# Altium PCB Mother_board01.PcbDoc
Units mm, origin at the board's own origin, x right, y up, seen from the top; angles counter-clockwise.
Board outline 169 x 150.57 mm, 2 copper layers (Top Layer, Bottom Layer), stack 1.57 mm thick; 63 components, 64 nets, 302 pads, 19 vias.
Unrouted connection lines stored in the file: 70.
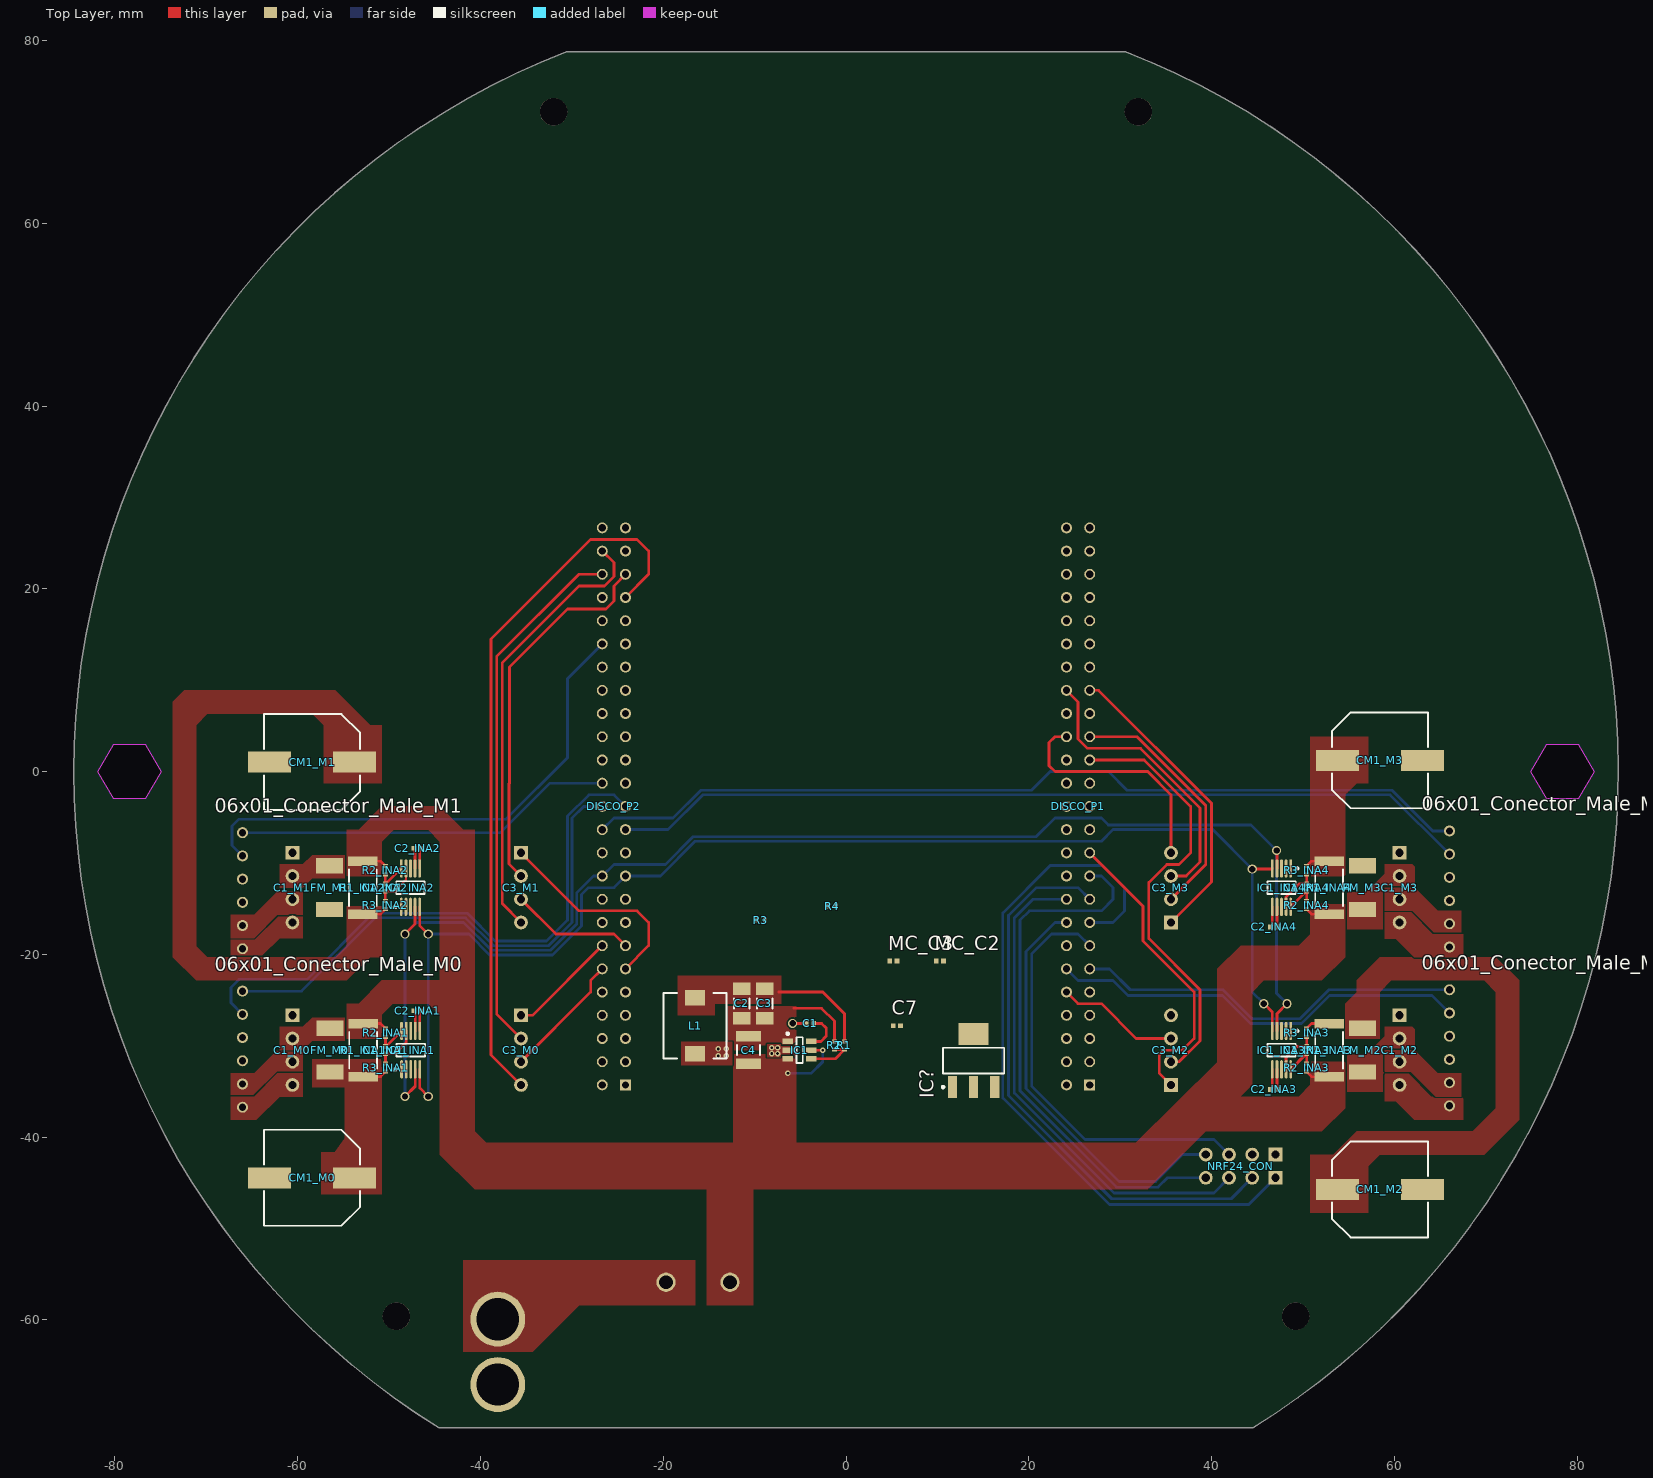
[diagram p0: Top Layer view]
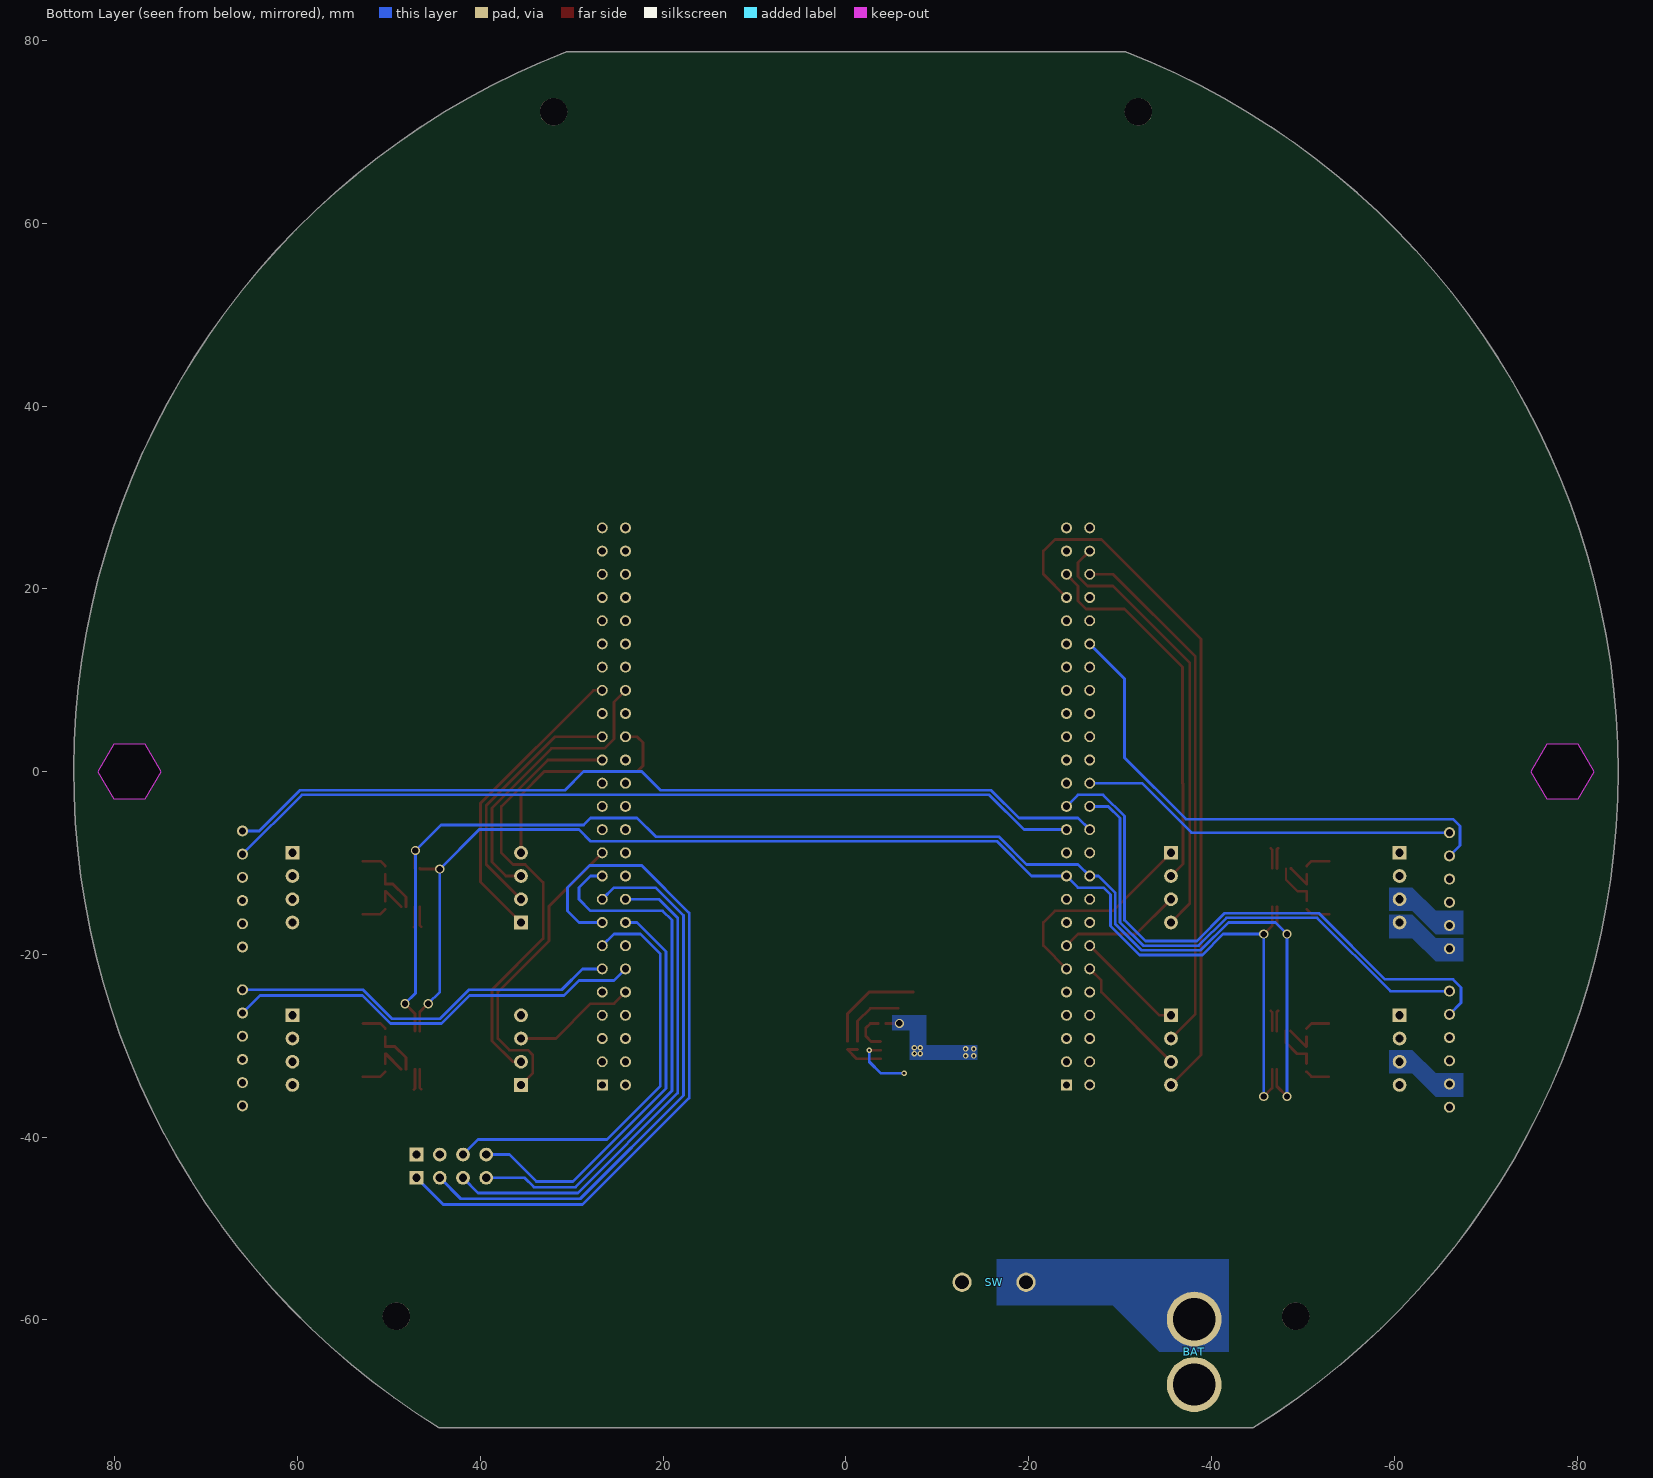
[diagram p1: Bottom Layer view, seen from below]

## Layer stack, top to bottom
Top Solder: solder mask 0.01, Solder Resist, Dk 3.5
Top Layer: signal copper 0.035
Dielectric 1: dielectric 1.5, FR-4, Dk 4.8
Bottom Layer: signal copper 0.035
Bottom Solder: solder mask 0.01, Solder Resist, Dk 3.5

## Board outline
-30.603,78.764 -33.364,77.635 -36.083,76.409 -38.757,75.088 -41.383,73.673 -43.957,72.167 -46.477,70.57 -48.938,68.886 -51.339,67.116 -53.676,65.262 -55.946,63.327 -58.146,61.313 -60.274,59.223 -62.326,57.059 -64.301,54.823 -66.196,52.52 -68.008,50.151 -69.736,47.72 -71.377,45.229 -72.928,42.681 -74.389,40.081 -75.758,37.431 -77.031,34.734 -78.209,31.993 -79.29,29.213 -80.271,26.396 -81.153,23.547 -81.933,20.668 -82.612,17.764 -83.187,14.837 -83.659,11.892 -84.027,8.932 -84.289,5.961 -84.447,2.982 -84.5,0 -84.448,-2.959 -84.293,-5.914 -84.034,-8.861 -83.672,-11.798 -83.208,-14.72 -82.641,-17.625 -81.974,-20.508 -81.205,-23.365 -80.338,-26.194 -79.371,-28.991 -78.307,-31.752 -77.148,-34.474 -75.893,-37.154 -74.546,-39.789 -73.107,-42.375 -71.579,-44.908 -69.962,-47.387 -68.26,-49.807 -66.475,-52.167 -64.607,-54.462 -62.661,-56.691 -60.637,-58.85 -58.54,-60.937 -56.37,-62.949 -54.132,-64.885 -51.827,-66.74 -49.458,-68.514 -47.029,-70.203 -44.542,-71.807 44.542,-71.807 47.04,-70.196 49.479,-68.499 51.857,-66.717 54.171,-64.852 56.418,-62.907 58.595,-60.884 60.7,-58.786 62.729,-56.615 64.681,-54.374 66.553,-52.066 68.343,-49.694 70.048,-47.26 71.667,-44.767 73.197,-42.22 74.636,-39.62 75.983,-36.971 77.236,-34.276 78.394,-31.539 79.454,-28.763 80.416,-25.951 81.279,-23.107 82.041,-20.235 82.702,-17.337 83.261,-14.418 83.716,-11.482 84.068,-8.531 84.316,-5.569 84.46,-2.601 84.499,0.371 84.434,3.342 84.264,6.309 83.99,9.268 83.612,12.215 83.131,15.148 82.547,18.062 81.861,20.953 81.073,23.819 80.186,26.655 79.199,29.458 78.114,32.225 76.933,34.952 75.656,37.636 74.286,40.273 72.824,42.86 71.271,45.394 69.631,47.872 67.905,50.291 66.094,52.648 64.202,54.94 62.23,57.163 60.182,59.316 58.059,61.396 55.864,63.399 53.6,65.324 51.27,67.169 48.876,68.93 46.422,70.606 43.911,72.195 41.345,73.694 38.728,75.103 36.063,76.418 33.354,77.639 30.603,78.764
cut-out: -80.14,3 -76.676,3 -74.944,0 -76.676,-3 -80.14,-3 -81.872,0
cut-out: 76.676,3 80.14,3 81.872,0 80.14,-3 76.676,-3 74.944,0

## Design rules (kind name [scope] priority, off if disabled: settings)
Clearance Clearance_1 [All] p1: gap=0.2
PlaneConnect [All] p1: planeconnectstyle=Direct reliefexpansion=0.508 reliefentries=4 reliefconductorwidth=0.254 reliefairgap=0.254
PolygonConnect "Schematic Polygon Connect Style_2" [InComponent('L1')] p1: connectstyle=Direct reliefconductorwidth=0.254 reliefentries=4 polygonreliefangle="45 Angle" airgapwidth=0.254
PolygonConnect "Schematic Polygon Connect Style_1" [InComponent('C2')] p2: connectstyle=Direct reliefconductorwidth=0.254 reliefentries=4 polygonreliefangle="45 Angle" airgapwidth=0.254
PolygonConnect "Schematic Polygon Connect Style" [InComponent('C3')] p3: connectstyle=Direct reliefconductorwidth=0.254 reliefentries=4 polygonreliefangle="45 Angle" airgapwidth=0.254
PolygonConnect [All] p4: connectstyle=Direct reliefconductorwidth=0.508 reliefentries=4 polygonreliefangle="90 Angle" airgapwidth=0.254
RoutingVias [All] p1: holewidth=0.7 width=1 viastyle="Through Hole" minholewidth=0.5 minwidth=0.7 maxholewidth=1.422 maxwidth=2.54
SolderMaskExpansion [All] p1: expansion=0.102
Width [All] p1: maxlimit=1.016 minlimit=0.254 preferedwidth=0.3
29 further rules are at their usual default settings.

## Classes and differential pairs
channel class MOTORES: M0 M1 M2 M3
component class Mother_board1: C7 DISCO_P1 DISCO_P2 MC_C2 MC_C3 NRF24_CON
component class M3: 06x01_Conector_Male_M3 C1_M3 C3_M3 CM1_M3 FM_M3
component class M2: 06x01_Conector_Male_M2 C1_M2 C3_M2 CM1_M2 FM_M2
component class M1: 06x01_Conector_Male_M1 C1_M1 C3_M1 CM1_M1 FM_M1
component class M0: 06x01_Conector_Male_M0 C1_M0 C3_M0 CM1_M0 FM_M0
net class DIRECT: MA_M0 MA_M1 MA_M2 MA_M3 MB_M0 MB_M1 MB_M2 MB_M3 NetBAT_0 NetC1_2 "V+ BAT_INA1"
component class POWER: BAT C1 C2 C3 C4 IC1 IC? L1 R1 R2 R3 R4 SW
component class INA1: C1_INA1 C2_INA1 IC1_INA1 R1_INA1 R2_INA1 R3_INA1
component class INA4: C1_INA4 C2_INA4 IC1_INA4 R1_INA4 R2_INA4 R3_INA4
component class INA3: C1_INA3 C2_INA3 IC1_INA3 R1_INA3 R2_INA3 R3_INA3
component class INA2: C1_INA2 C2_INA2 IC1_INA2 R1_INA2 R2_INA2 R3_INA2
channel class INA220: INA1 INA2 INA3 INA4

## Components (designator, comment, footprint, x,y, rotation, side; value= is the part's Value field where it differs from the comment)
06x01_Conector_Male_M0 "0022112062" 06x01_Conector_Male -65.913,-30.377 r90 top (schematic designator 06x01_Conector_Male)
06x01_Conector_Male_M1 "0022112062" 06x01_Conector_Male -65.913,-13.037 r90 top (schematic designator 06x01_Conector_Male)
06x01_Conector_Male_M2 "0022112062" 06x01_Conector_Male 66.167,-30.226 r90 top (schematic designator 06x01_Conector_Male)
06x01_Conector_Male_M3 "0022112062" 06x01_Conector_Male 66.167,-12.843 r90 top (schematic designator 06x01_Conector_Male)
BAT "XT60" BATTERY_CONECTO-PCB -38.1,-63.5 r270 bottom
C1 "100nF" 0402-CAP -3.937,-27.559 r180 top
C1_INA1 "100nF" 0402-CAP -50.387,-30.48 r270 top (schematic designator C1)
C1_INA2 "100nF" 0402-CAP -50.412,-12.7 r270 top (schematic designator C1)
C1_INA3 "100nF" 0402-CAP 50.412,-30.48 r90 top (schematic designator C1)
C1_INA4 "100nF" 0402-CAP 50.412,-12.7 r90 top (schematic designator C1)
C1_M0 "PPPC041LFBN-RC" 04x01_Conector_Female -60.579,-30.48 r90 top (schematic designator C1)
C1_M1 "PPPC041LFBN-RC" 04x01_Conector_Female -60.579,-12.7 r90 top (schematic designator C1)
C1_M2 "PPPC041LFBN-RC" 04x01_Conector_Female 60.579,-30.48 r90 top (schematic designator C1)
C1_M3 "PPPC041LFBN-RC" 04x01_Conector_Female 60.579,-12.7 r90 top (schematic designator C1)
C2 "22uF" 1206-CAP -11.394,-25.376 r90 top
C2_INA1 "100nF" 0402-CAP -46.863,-26.176 r180 top (schematic designator C2)
C2_INA2 "100nF" 0402-CAP -46.863,-8.396 r180 top (schematic designator C2)
C2_INA3 "100nF" 0402-CAP 46.863,-34.784 r0 top (schematic designator C2)
C2_INA4 "100nF" 0402-CAP 46.863,-17.004 r0 top (schematic designator C2)
C3 "22uF" 1206-CAP -8.89,-25.376 r90 top
C3_M0 "PPPC041LFBN-RC" 04x01_Conector_Female -35.56,-30.48 r90 top (schematic designator C3)
C3_M1 "PPPC041LFBN-RC" 04x01_Conector_Female -35.56,-12.7 r90 top (schematic designator C3)
C3_M2 "PPPC041LFBN-RC" 04x01_Conector_Female 35.56,-30.48 r270 top (schematic designator C3)
C3_M3 "PPPC041LFBN-RC" 04x01_Conector_Female 35.56,-12.7 r270 top (schematic designator C3)
C4 "10uF" PCBComponent -10.668,-30.48 r270 top
C7 "100nF" 0402-CAP 5.569,-27.813 r0 top
CM1_M0 "EEE-FK1C681GP" EEE-FK1C681GP -58.42,-44.45 r180 top (schematic designator CM1)
CM1_M1 "EEE-FK1C681GP" EEE-FK1C681GP -58.42,1.037 r180 top (schematic designator CM1)
CM1_M2 "EEE-FK1C681GP" EEE-FK1C681GP 58.42,-45.72 r0 top (schematic designator CM1)
CM1_M3 "EEE-FK1C681GP" EEE-FK1C681GP 58.42,1.23 r0 top (schematic designator CM1)
DISCO_P1 "SFH11-PBPC-D25-ST-BK" 25x02_Conector_Female 25.4,-3.81 r90 top
DISCO_P2 "SFH11-PBPC-D25-ST-BK" 25x02_Conector_Female -25.4,-3.81 r90 top
FM_M0 "MF-MSMF250/16X" RESC4632X16N -56.49,-30.48 r270 top (schematic designator FM)
FM_M1 "MF-MSMF250/16X" RESC4632X16N -56.515,-12.7 r270 top (schematic designator FM)
FM_M2 "MF-MSMF250/16X" RESC4632X16N 56.515,-30.48 r90 top (schematic designator FM)
FM_M3 "MF-MSMF250/16X" RESC4632X16N 56.515,-12.7 r90 top (schematic designator FM)
IC1 "TPS563200DDCT" SOT95P280X110-6N -5.08,-30.48 r0 top
IC1_INA1 "INA220BIDGST" TSSOP10 -47.633,-30.48 r90 top (schematic designator IC1)
IC1_INA2 "INA220BIDGST" TSSOP10 -47.657,-12.7 r90 top (schematic designator IC1)
IC1_INA3 "INA220BIDGST" TSSOP10 47.657,-30.48 r270 top (schematic designator IC1)
IC1_INA4 "INA220BIDGST" TSSOP10 47.657,-12.7 r270 top (schematic designator IC1)
IC? "LD1117S33CTR" SOT-223_N 13.97,-31.623 r90 top
L1 "CLF7045T-4R7N-H" CLF7045T -16.51,-27.815 r180 top
MC_C2 "100nF" 0402-CAP 10.268,-20.727 r0 top
MC_C3 "100nF" 0402-CAP 5.188,-20.727 r0 top
NRF24_CON "PPPC042LFBN-RC" 04x02_Conector_Female 43.18,-43.18 r0 top
R1 "33K" 0402-RES-HD -0.166,-29.972 r90 top
R1_INA1 "R2512-0R02" 2512-RES-HD -52.841,-30.48 r90 top (schematic designator R1)
R1_INA2 "R2512-0R02" 2512-RES-HD -52.866,-12.7 r90 top (schematic designator R1)
R1_INA3 "R2512-0R02" 2512-RES-HD 52.866,-30.48 r270 top (schematic designator R1)
R1_INA4 "R2512-0R02" 2512-RES-HD 52.866,-12.7 r270 top (schematic designator R1)
R2 "10K" 0402-RES-HD -1.27,-29.972 r270 top
R2_INA1 "0R" 0402-RES-HD -50.387,-28.576 r90 top (schematic designator R2)
R2_INA2 "0R" 0402-RES-HD -50.412,-10.796 r90 top (schematic designator R2)
R2_INA3 "0R" 0402-RES-HD 50.412,-32.385 r270 top (schematic designator R2)
R2_INA4 "0R" 0402-RES-HD 50.412,-14.605 r270 top (schematic designator R2)
R3 "10K" 0402-RES-HD -9.329,-16.256 r180 top
R3_INA1 "0R" 0402-RES-HD -50.387,-32.384 r270 top (schematic designator R3)
R3_INA2 "0R" 0402-RES-HD -50.412,-14.604 r270 top (schematic designator R3)
R3_INA3 "0R" 0402-RES-HD 50.412,-28.575 r90 top (schematic designator R3)
R3_INA4 "0R" 0402-RES-HD 50.412,-10.796 r90 top (schematic designator R3)
R4 "33K" 0402-RES-HD -1.524,-14.732 r180 top
SW "R1966ABLKBLKGR" R1966AB-PCB -19.583,-66.421 r90 bottom

## Footprints (in the part's own frame and the unit in brackets; to place one, negate y for a bottom-side part, rotate by r counter-clockwise, add the part's x,y. Pads: shape width x height; smd on the part's side, far side on the other; paste and mask are expansions set on the pad)
04x01_Conector_Female [mm] "PPPC041LFBN-RC"
  round 1.5 hole 0.9: 0(-3.81,0) 1(-1.27,0) 2(1.27,0)
  rect 1.5x1.5 hole 0.9: 3(3.81,0)
  body extent -5.33,-1.27 5.33,1.27, height 8.5
04x02_Conector_Female [mm] "PPPC042LFBN-RC"
  round 1.5 hole 0.9: 0(-3.81,1.27) 1(-1.27,1.27) 2(1.27,1.27) 4(-3.81,-1.27) 5(-1.27,-1.27) 6(1.27,-1.27)
  rect 1.5x1.5 hole 0.9: 3(3.81,1.27) 7(3.81,-1.27)
  body extent -5.3,-2.55 5.36,2.53, height 8.52
06x01_Conector_Male [mil] "0022112062"
  round 47.25 hole 31.5: 1(250,5) 2(150,5) 3(50,5) 4(-50,5) 5(-150,5) 6(-250,5)
  body extent -297,-115 297,135, height 124
25x02_Conector_Female [mil] "SFH11-PBPC-D25-ST-BK"
  rect 47.25x47.25 hole 31.5: 1(-1200,-50)
  round 47.25 hole 31.5: 2(-1200,50) 3(-1100,-50) 4(-1100,50) 5(-1000,-50) 6(-1000,50) 7(-900,-50) 8(-900,50) 9(-800,-50) 10(-800,50) 11(-700,-50) 12(-700,50) 13(-600,-50) 14(-600,50) 15(-500,-50) 16(-500,50) 17(-400,-50) 18(-400,50) 19(-300,-50) 20(-300,50) 21(-200,-50) 22(-200,50) 23(-100,-50) 24(-100,50) 25(0,-50) 26(0,50) 27(100,-50) 28(100,50) 29(200,-50) 30(200,50) 31(300,-50) 32(300,50) 33(400,-50) 34(400,50) 35(500,-50) 36(500,50) 37(600,-50) 38(600,50) 39(700,-50) 40(700,50) 41(800,-50) 42(800,50) 43(900,-50) 44(900,50) 45(1000,-50) 46(1000,50) 47(1100,-50) 48(1100,50) 49(1200,-50) 50(1200,50)
  body extent -1350,-121 1350,115, height 333
0402-CAP [mm] "Chip Capacitor, Body 1.0x0.5mm, Height 0.6mm, IPC Medium Density"
  rect 0.52x0.52 smd: 1(-0.4,0) 2(0.4,0)
  body extent -0.55,-0.3 0.55,0.3, height 0.33
0402-RES-HD [mm] "Chip Resistor, Body 1.0x0.5mm, IPC High Density"
  rect 0.45x0.55 smd: 1(-0.45,0) 2(0.45,0)
  body extent -0.52,-0.27 0.53,0.28, height 0.4
1206-CAP [mm] "Chip Capacitor, Body 3.2x1.6mm, Height 1.7mm, IPC Low Density"
  rect 1.35x1.9 smd: 1(-1.6,0) 2(1.6,0)
  silkscreen extent -0.55,-0.85 0.55,0.85, body extent -1.7,-0.9 1.7,0.9, height 1.7
2512-RES-HD [mm] "Chip Resistor, Body 6.4x3.2mm, IPC High Density"
  rect 1.05x3.25 smd: 1(-2.9,0) 2(2.9,0)
  silkscreen extent -2,-1.52 2,1.53, body extent -3.25,-1.7 3.25,1.7, height 0.75
BATTERY_CONECTO-PCB [mm]
  round 6 hole 4.62: 0(-3.58,0) 1(3.58,0)
  body extent -7.82,-4.19 8.08,3.96, height 16.4
CLF7045T [mm]
  rect 2.2x1.7 smd: 1(0,3.05) 2(0,-3.05)
  silkscreen extent -3.45,-3.6 3.45,3.6, body extent -3.5,-3.6 3.5,3.6, height 4.51
EEE-FK1C681GP [mm] "Aluminum Electrolytic Capacitor, Body 10,30x10,30x10,50mm, IPC Low Density"
  rect 4.7x2.3 smd: 1(-4.65,0) 2(4.65,0)
  silkscreen extent -5.25,-5.25 5.25,5.25, body extent -5.65,-5.21 5.65,5.09, height 10.41
PCBComponent [mm]
  rect 1.15x2.7 smd: 1(-1.5,0) 2(1.5,0)
  silkscreen extent -0.55,-1.25 0.55,1.25, body extent -1.7,-1.4 1.7,1.4, height 2.8
R1966AB-PCB [mm] "SWITCH ROCKER SPST 15A 125V"
  round 2.1 hole 1.5: 0(10.541,-0.117)
  round 2.1 hole 1.5 paste+0: 1(10.541,6.883)
  body extent -11.38,-10.67 11.12,10.28, height 15.6
RESC4632X16N [mm] "Chip Resistor, 2-Leads, Body 4,60x3,24mm, IPC Medium Density"
  rect 1.68x2.95 smd: 1(-2.39,0) 2(2.39,0)
  body extent -2.3,-1.62 2.3,1.62, height 1.15
SOT95P280X110-6N [mm] "SOT23, 6-Leads, Body 2,90x2,80mm, Pitch 0,95mm, IPC Medium Density"
  rect 1.15x0.6 smd: 1(-1.3,0.95) 2(-1.3,0) 3(-1.3,-0.95) 4(1.3,-0.95) 5(1.3,0) 6(1.3,0.95)
  silkscreen extent -1.42,-1.4 0.35,1.92, body extent -0.72,-1.37 0.72,1.38, height 1.1
SOT-223_N [mm] "SOT223, 4-Leads, Body 6.5x3.5mm, Pitch 2.3mm, Lead Span 7mm, IPC Medium Density"
  rect 2.4x1 smd: 1(-2.9,2.3) 2(-2.9,0) 3(-2.9,-2.3)
  rect 2.4x3.3 smd: 4(2.9,0)
  silkscreen extent -3.02,-3.35 1.4,3.47, body extent -1.85,-3.35 1.85,3.35, height 1.8
TSSOP10 [mm] "TSSOP, 10-Leads, Body 3x3mm, Pitch 0.5mm, IPC Low Density"
  oval 2x0.3 smd: 1(-2.1,1) 2(-2.1,0.5) 3(-2.1,0) 4(-2.1,-0.5) 5(-2.1,-1) 6(2.1,-1) 7(2.1,-0.5) 8(2.1,0) 9(2.1,0.5) 10(2.1,1)
  silkscreen extent -2.22,-1.55 0.7,1.82, body extent -1.55,-1.55 1.55,1.55, height 1.1

## Part data
06x01_Conector_Male_M0 06x01_Conector_Male_M1 06x01_Conector_Male_M2 06x01_Conector_Male_M3: library part 06x01_Conector_Male, "CONN HEADER 6POS .100 VERT GOLD"
BAT: library part BATTERY_CONNECTOR, "XT60 PRT-10474"
C1: library part CC0402-100nF-50v-A.3, "CAP CER 0.1UF 50V 10% X7R 0402"
C1_INA1 C1_INA2 C1_INA3 C1_INA4 C2_INA1 C2_INA2 C2_INA3 C2_INA4 C7 MC_C2 MC_C3: library part CC0402-100nF-A.12, "CAP CER 0.1UF 10V 20% X5R 0402"
C1_M0 C1_M1 C1_M2 C1_M3 C3_M0 C3_M1 C3_M2 C3_M3: library part 04x01_Conector_Female-SCH, "4 Position Header Connector 0.100\" (2.54mm) Through Hole Gold"
C2 C3: library part CC1206-22uF-6.3V-1, "CAP CER 22UF 6.3V 20% X5R 1206"
C4: library part CC1210-10uF-2, "CAP CER 10UF 50V 20% X5R 1210"
CM1_M0 CM1_M1 CM1_M2 CM1_M3: library part "CAP AL 680UF/16V", "Aluminum Electrolytic Capacitors - SMD Al Lytic Cap SMT FK Series 105C"
DISCO_P1 DISCO_P2: library part 25x02_Conector_Female, "50 Position Header Connector 0.100\" (2.54mm) Through Hole Gold"
FM_M0 FM_M1 FM_M2 FM_M3: library part MF-MSMF250/16X-01.A.1, "PTC RESETTABLE .30A 30V 1812"
IC1: library part TPS563200DDCT-01.A.2, "IC REG BUCK ADJ 3A SYNC 6SOT"
IC1_INA1 IC1_INA2 IC1_INA3 IC1_INA4: library part INA220BIDGST-3, "IC MONITOR PWR/CURR BIDIR 10MSOP"
IC?: library part CMP-0244-00307-1, "Fixed Low Drop Positive Voltage Regulator, 3.3V, 4-Pin SOT-223, Tape and Reel"
L1: library part CLF7045T-4R7N-H-2, "FIXED IND 4.7UH 4.1A 20 MOHM SMD"
NRF24_CON: library part 04x02_Conector_Female, "8 Position Header Connector 0.100\" (2.54mm) Through Hole Gold"
R1 R4: library part R0402-33K-7, "RES 33K OHM 1/10W 1% 0402 SMD"
R1_INA1 R1_INA2 R1_INA3 R1_INA4: library part R2512-0R02-4, "RES .02 OHM 2W 1% 2512 SMD"
R2 R3: library part R0402-10K-10, "RES 10K OHM 1/10W 1% 0402 SMD"
R2_INA1 R2_INA2 R2_INA3 R2_INA4 R3_INA1 R3_INA2 R3_INA3 R3_INA4: library part R0402-0R-7, "RES 0.0 OHM 1/16W JUMP 0402 SMD"
SW: library part "Rocker Switch", "SWITCH ROCKER SPST 15A 125V"

## Free pads (board coordinates)
  round 3 hole 3: 1(-49.202,-59.598) 1(-32,72.199) 1(32,72.199) 1(49.202,-59.598)

## Via types
v1: diameter 0.6, hole 0.3, Top Layer to Bottom Layer, 10 vias
v2: diameter 1, hole 0.7, Top Layer to Bottom Layer, 9 vias

## Nets (pads, with @x,y where several pads share a name; then routed paths per layer and width w, separated by ;. In a path a pad name is that pad's centre, name@x,y a point inside that pad or via, vN(x,y) a via of type N, cw(c..) or ccw(c..) an arc to the next point about the centre after c; other vN are vias at no path point)
BAT_REF: DISCO_P1.8 R3.1 R4.2
GND: 06x01_Conector_Male_M0.4 06x01_Conector_Male_M1.4 06x01_Conector_Male_M2.4 06x01_Conector_Male_M3.4 BAT.1 C1_M0.3 C1_M1.3 C1_M2.3 C1_M3.3 C2.1 C2_INA1.2 C2_INA2.2 C2_INA3.2 C2_INA4.2 C3.1 C4.1 C7.2 CM1_M0.2 CM1_M1.2 CM1_M2.2 CM1_M3.2 DISCO_P1.1 DISCO_P1.2 DISCO_P1.5 DISCO_P1.23 DISCO_P1.49 DISCO_P1.50 DISCO_P2.1 DISCO_P2.2 DISCO_P2.49 DISCO_P2.50 IC1.1 IC1_INA1.1 IC1_INA1.2 IC1_INA1.7 IC1_INA2.1 IC1_INA2.7 IC1_INA3.1 IC1_INA3.7 IC1_INA4.7 IC?.1 MC_C2.1 MC_C3.2 NRF24_CON.3 R2.1 R4.1 | length 16.2
  Top Layer w0.3: C2_INA1.2 -47.133,-26.306 IC1_INA1.7 ; C2_INA2.2 -47.157,-8.501 IC1_INA2.7 ; -5.715,-25.908 -2.667,-25.908 -1.27,-27.305 R2.1 ; IC1_INA3.7 47.157,-34.679 C2_INA3.2 ; IC1_INA4.7 47.157,-16.899 C2_INA4.2
I2C.SCL: DISCO_P2.19 IC1_INA1.5 IC1_INA2.5 IC1_INA3.5 IC1_INA4.5 | length 146
  Top Layer w0.3: IC1_INA2.5 -46.657,-16.843 v2(-45.72,-17.78) ; IC1_INA1.5 -46.633,-34.647 v2(-45.72,-35.56) ; v2(44.45,-10.668) 46.579,-10.668 IC1_INA4.5@46.647,-10.6 ; v2(45.72,-25.4) 46.657,-26.337 IC1_INA3.5
  Bottom Layer w0.3: v2(-45.72,-35.56) v2(-45.72,-17.78) -41.275,-17.78 -38.989,-20.066 -32.131,-20.066 -28.956,-16.891 -28.956,-13.462 -28.194,-12.7 -25.4,-12.7 DISCO_P2.19 -20.32,-11.43 -16.51,-7.62 27.94,-7.62 29.21,-6.35 40.132,-6.35 v2(44.45,-10.668) 44.45,-24.13 v2(45.72,-25.4)
I2C.SDA: DISCO_P2.20 IC1_INA1.4 IC1_INA2.4 IC1_INA3.4 IC1_INA4.4 | length 154
  Top Layer w0.3: v2(-48.26,-35.56) -47.133,-34.433 IC1_INA1.4 ; v2(-48.26,-17.78) -47.157,-16.677 IC1_INA2.4 ; v2(47.117,-8.636) 47.157,-8.676 IC1_INA4.4 ; IC1_INA3.4 47.157,-26.503 v2(48.26,-25.4)
  Bottom Layer w0.3: v2(-48.26,-35.56) v2(-48.26,-17.78) -46.982,-16.502 -41.846,-16.502 -38.798,-19.55 -32.322,-19.55 -29.477,-16.705 -29.477,-13.276 -27.631,-11.43 DISCO_P2.20 -25.4,-10.16 -19.757,-10.16 -16.717,-7.12 20.82,-7.12 22.86,-5.08 27.94,-5.08 28.71,-5.85 44.331,-5.85 v2(47.117,-8.636) 47.117,-24.257 v2(48.26,-25.4)
M0_ENCA: 06x01_Conector_Male_M0.2 DISCO_P2.25 | length 65.1
  Bottom Layer w0.3: 06x01_Conector_Male_M0.2 -67.31,-25.297 -67.31,-23.622 -66.421,-22.733 -59,-22.733 -51.769,-15.502 -41.432,-15.502 -38.392,-18.542 -32.766,-18.542 -30.48,-16.256 -30.48,-4.881 -28.139,-2.54 -25.4,-2.54 DISCO_P2.25
M0_ENCB: 06x01_Conector_Male_M0.1 DISCO_P2.26 | length 57
  Bottom Layer w0.3: 06x01_Conector_Male_M0.1 -59.587,-24.027 -51.562,-16.002 -41.639,-16.002 -38.591,-19.05 -32.529,-19.05 -29.977,-16.498 -29.977,-5.085 -28.702,-3.81 DISCO_P2.26
M0_MAH: C3_M0.0 DISCO_P2.43 | length 78.6
  Top Layer w0.3: C3_M0.0 -38.847,-31.003 -38.847,14.493 -27.94,25.4 -22.86,25.4 -21.59,24.13 -21.59,21.59 DISCO_P2.43
M0_MAL: C3_M0.1 DISCO_P2.12 | length 13.8
  Top Layer w0.3: C3_M0.1 -27.94,-24.13 -27.94,-22.86 DISCO_P2.12
M0_MBH: C3_M0.2 DISCO_P2.46 | length 58.2
  Top Layer w0.3: C3_M0.2 -38.227,-26.543 -38.227,12.573 -29.21,21.59 DISCO_P2.46
M0_MBL: C3_M0.3 DISCO_P2.14 | length 12
  Top Layer w0.3: C3_M0.3 -34.29,-26.67 DISCO_P2.14
M1_ENCA: 06x01_Conector_Male_M1.2 DISCO_P2.40 | length 57.6
  Bottom Layer w0.3: 06x01_Conector_Male_M1.2 -67.183,-8.084 -67.183,-5.969 -66.421,-5.207 -37.199,-5.207 -30.48,1.512 -30.48,10.16 DISCO_P2.40
M1_ENCB: 06x01_Conector_Male_M1.1 DISCO_P2.28 | length 41.6
  Bottom Layer w0.3: 06x01_Conector_Male_M1.1 -37.802,-6.687 -32.385,-1.27 DISCO_P2.28
M1_MAH: C3_M1.0 DISCO_P2.48 | length 48.7
  Top Layer w0.3: C3_M1.0 -37.607,-14.463 -37.607,11.923 -29.21,20.32 -26.427,20.32 -25.4,21.347 -25.4,22.86 DISCO_P2.48
M1_MAL: C3_M1.1 DISCO_P2.13 | length 13.5
  Top Layer w0.3: C3_M1.1 -31.75,-17.78 -25.4,-17.78 DISCO_P2.13
M1_MBH: C3_M1.2 DISCO_P2.45 | length 41.3
  Top Layer w0.3: C3_M1.2 -36.884,-10.106 -36.884,-1.324 -36.83,-1.27 -36.83,11.43 -30.48,17.78 -26.28,17.78 -25.4,18.66 -25.4,20.32 DISCO_P2.45
M1_MBL: C3_M1.3 DISCO_P2.11 | length 23.3
  Top Layer w0.3: C3_M1.3 -29.21,-15.24 -22.86,-15.24 -21.59,-16.51 -21.59,-19.05 DISCO_P2.11
M2_ENCA: 06x01_Conector_Male_M2.2 DISCO_P1.12 | length 46.4
  Bottom Layer w0.3: DISCO_P1.12 25.4,-22.86 29.21,-22.86 30.846,-24.496 41.188,-24.496 44.251,-27.559 49.856,-27.559 52.919,-24.496 64.12,-24.496 06x01_Conector_Male_M2.2
M2_ENCB: 06x01_Conector_Male_M2.1 DISCO_P1.11 | length 43
  Bottom Layer w0.3: DISCO_P1.11 28.817,-21.59 31.103,-23.876 41.275,-23.876 44.458,-27.059 49.649,-27.059 52.832,-23.876 06x01_Conector_Male_M2.1
M2_MAH: C3_M2.0 DISCO_P2.47
M2_MAL: C3_M2.1 DISCO_P1.10 | length 13.5
  Top Layer w0.3: DISCO_P1.10 25.4,-25.4 27.94,-25.4 31.75,-29.21 C3_M2.1
M2_MBH: C3_M2.2 DISCO_P1.29 | length 47.9
  Top Layer w0.3: DISCO_P1.29 32.627,1.27 37.719,-3.822 37.719,-8.89 36.449,-10.16 35.105,-10.16 33.142,-12.123 33.142,-18.281 38.73,-23.869 38.73,-29.471 36.451,-31.75 C3_M2.2
M2_MBL: C3_M2.3 DISCO_P1.21 | length 33.4
  Top Layer w0.3: DISCO_P1.21 32.512,-14.732 32.512,-18.542 38.1,-24.13 38.1,-29.21 36.83,-30.48 34.798,-30.48 34.29,-30.988 34.29,-33.02 C3_M2.3
M3_ENCA: 06x01_Conector_Male_M3.2 DISCO_P2.23 | length 94.4
  Bottom Layer w0.3: DISCO_P2.23 -19.486,-6.35 -15.676,-2.54 59.547,-2.54 06x01_Conector_Male_M3.2
M3_ENCB: 06x01_Conector_Male_M3.1 DISCO_P2.24 | length 98
  Bottom Layer w0.3: DISCO_P2.24 -25.4,-5.08 -18.923,-5.08 -15.883,-2.04 20.312,-2.04 22.352,0 28.702,0 30.742,-2.04 59.755,-2.04 64.207,-6.493 06x01_Conector_Male_M3.1
M3_MAH: C3_M3.0 DISCO_P1.32 | length 25.7
  Top Layer w0.3: DISCO_P1.32 22.86,3.81 22.225,3.175 22.225,0.635 22.86,0 33.02,0 35.56,-2.54 C3_M3.0
M3_MAL: C3_M3.1 DISCO_P1.36 | length 32.1
  Top Layer w0.3: DISCO_P1.36 25.4,7.62 25.4,3.567 26.427,2.54 32.234,2.54 38.75,-3.976 38.75,-9.903 37.223,-11.43 C3_M3.1
M3_MBH: C3_M3.2 DISCO_P1.31 | length 27.6
  Top Layer w0.3: DISCO_P1.31 31.84,3.81 39.37,-3.72 39.37,-10.16 C3_M3.2
M3_MBL: C3_M3.3 DISCO_P1.35 | length 33.3
  Top Layer w0.3: DISCO_P1.35 27.637,8.89 39.99,-3.463 39.99,-12.08 C3_M3.3
MA_M0: 06x01_Conector_Male_M0.5 C1_M0.1
MA_M1: 06x01_Conector_Male_M1.5 C1_M1.1
MA_M2: 06x01_Conector_Male_M2.5 C1_M2.1
MA_M3: 06x01_Conector_Male_M3.5 C1_M3.1
MB_M0: 06x01_Conector_Male_M0.6 C1_M0.0
MB_M1: 06x01_Conector_Male_M1.6 C1_M1.0
MB_M2: 06x01_Conector_Male_M2.6 C1_M2.0
MB_M3: 06x01_Conector_Male_M3.6 C1_M3.0
MISO: DISCO_P1.18 NRF24_CON.5 | length 54.4
  Bottom Layer w0.3: DISCO_P1.18 20.445,-13.97 18.42,-15.995 18.42,-35.186 29.345,-46.111 40.249,-46.111 NRF24_CON.5
MOSI: DISCO_P1.17 NRF24_CON.6 | length 62.7
  Bottom Layer w0.3: DISCO_P1.17 25.4,-12.7 20.824,-12.7 17.79,-15.734 17.79,-35.447 29.084,-46.741 42.159,-46.741 NRF24_CON.6
NetBAT_0: BAT.0 SW.0
NetC1_1: C1.1 IC1.6 | length 4.3
  Top Layer w0.3: IC1.6 -2.733,-29.53 -2.159,-28.956 -2.159,-28.067 -2.667,-27.559 C1.1
NetC1_2: C1.2 IC1.2 L1.1 | length 1.5
  Top Layer w0.3: v2(-5.842,-27.559) C1.2
  other v1: -13.97,-31.115 -13.081,-31.115 -8.128,-30.861 -7.493,-30.861 -13.97,-30.353 -13.081,-30.353 -8.128,-30.226 -7.493,-30.226
NetC1_INA1_1: C1_INA1.1 IC1_INA1.10 R2_INA1.1 | length 3.5
  Top Layer w0.3: R2_INA1.1 C1_INA1.1 -50.343,-30.08 IC1_INA1.10@-48.643,-28.38
NetC1_INA1_2: C1_INA1.2 IC1_INA1.9 R3_INA1.1 | length 5.1
  Top Layer w0.3: R3_INA1.1 C1_INA1.2 -49.358,-30.88 -48.133,-29.654 IC1_INA1.9
NetC1_INA2_1: C1_INA2.1 IC1_INA2.10 R2_INA2.1 | length 3.5
  Top Layer w0.3: R2_INA2.1 C1_INA2.1 -48.712,-10.6 IC1_INA2.10@-48.667,-10.6
NetC1_INA2_2: C1_INA2.2 IC1_INA2.9 R3_INA2.1 | length 5.1
  Top Layer w0.254: R3_INA2.1 C1_INA2.2 -49.422,-13.1 -48.157,-11.835 IC1_INA2.9
NetC1_INA3_1: C1_INA3.1 IC1_INA3.10 R2_INA3.1 | length 3.5
  Top Layer w0.3: IC1_INA3.10@48.667,-32.58 50.367,-30.88 C1_INA3.1 R2_INA3.1
NetC1_INA3_2: C1_INA3.2 IC1_INA3.9 R3_INA3.1 | length 5.1
  Top Layer w0.3: IC1_INA3.9 48.157,-31.306 49.383,-30.08 C1_INA3.2 R3_INA3.1
NetC1_INA4_1: C1_INA4.1 IC1_INA4.10 R2_INA4.1 | length 3.5
  Top Layer w0.3: IC1_INA4.10 50.357,-13.1 C1_INA4.1 R2_INA4.1
NetC1_INA4_2: C1_INA4.2 IC1_INA4.9 R3_INA4.1 | length 5
  Top Layer w0.3: IC1_INA4.9 48.157,-13.743 49.6,-12.3 C1_INA4.2 R3_INA4.1
NetC1_M0_2: C1_M0.2 FM_M0.1
NetC1_M1_2: C1_M1.2 FM_M1.1
NetC1_M2_2: C1_M2.2 FM_M2.1
NetC1_M3_2: C1_M3.2 FM_M3.1
NetCM1_M0_1: CM1_M0.1 FM_M0.2 R1_INA1.1 R3_INA1.2 | length 2.7
  Top Layer w0.3: R1_INA1.1 -50.933,-33.38 R3_INA1.2
NetCM1_M1_1: CM1_M1.1 FM_M1.2 R1_INA2.1 R3_INA2.2 | length 2.7
  Top Layer w0.3: R1_INA2.1 -50.957,-15.6 R3_INA2.2
NetCM1_M2_1: CM1_M2.1 FM_M2.2 R1_INA3.1 R3_INA3.2 | length 2.7
  Top Layer w0.3: R3_INA3.2 50.957,-27.58 R1_INA3.1
NetCM1_M3_1: CM1_M3.1 FM_M3.2 R1_INA4.1 R3_INA4.2 | length 2.7
  Top Layer w0.3: R3_INA4.2 50.957,-9.8 R1_INA4.1
NetIC1_4: IC1.4 R1.1 R2.2 | length 5.1
  Top Layer w0.3: IC1.4 -1.174,-31.43 R1.1 R2.2
NRF_CE: DISCO_P1.13 NRF24_CON.1 | length 46.9
  Bottom Layer w0.3: DISCO_P1.13 25.4,-17.78 22.479,-17.78 20.32,-19.939 20.32,-34.417 26.162,-40.259 40.259,-40.259 NRF24_CON.1
NRF_CS#: DISCO_P1.16 NRF24_CON.0 | length 45.8
  Bottom Layer w0.3: DISCO_P1.16 22.872,-16.51 19.7,-19.682 19.7,-34.674 29.877,-44.851 33.889,-44.851 36.83,-41.91 NRF24_CON.0
NRF_IRQ: DISCO_P1.19 NRF24_CON.4 | length 59.2
  Bottom Layer w0.3: DISCO_P1.19 27.94,-11.43 29.21,-12.7 29.21,-13.97 27.94,-15.24 20.066,-15.24 19.05,-16.256 19.05,-34.925 29.606,-45.481 34.15,-45.481 35.181,-44.45 NRF24_CON.4
SCK: DISCO_P1.15 NRF24_CON.7 | length 79.4
  Bottom Layer w0.3: DISCO_P1.15 29.21,-16.51 30.48,-15.24 30.48,-12.7 28.067,-10.287 22.346,-10.287 17.16,-15.473 17.16,-35.708 28.823,-47.371 44.069,-47.371 NRF24_CON.7
"V+ BAT_INA1": C4.2 IC1.3 IC1.5 IC1_INA1.8 IC1_INA2.8 IC1_INA3.8 IC1_INA4.8 IC?.3 R1_INA1.2 R1_INA2.2 R1_INA3.2 R1_INA4.2 R2_INA1.2 R2_INA2.2 R2_INA3.2 R2_INA4.2 R3.2 SW.1 | length 17.6
  Top Layer w0.3: R1_INA2.2 -50.957,-9.8 R2_INA2.2 ; R1_INA1.2 -50.933,-27.58 R2_INA1.2 ; IC1.5 v1(-2.54,-30.48) ; R2_INA3.2 50.957,-33.38 R1_INA3.2 ; R2_INA4.2 50.957,-15.6 R1_INA4.2
  Bottom Layer w0.3: v1(-6.35,-33.02) -3.81,-33.02 -2.54,-31.75 v1(-2.54,-30.48)
VCC: 06x01_Conector_Male_M0.3 06x01_Conector_Male_M1.3 06x01_Conector_Male_M2.3 06x01_Conector_Male_M3.3 C2.2 C2_INA1.1 C2_INA2.1 C2_INA3.1 C2_INA4.1 C3.2 C7.1 DISCO_P1.3 DISCO_P1.4 DISCO_P2.22 IC1_INA1.6 IC1_INA2.2 IC1_INA2.6 IC1_INA3.2 IC1_INA3.6 IC1_INA4.1 IC1_INA4.2 IC1_INA4.6 IC?.2 IC?.4 L1.2 MC_C2.2 MC_C3.1 NRF24_CON.2 R1.2 | length 20.3
  Top Layer w0.254: IC1_INA2.6 -46.657,-8.59 C2_INA2.1 ; IC1_INA1.6 -46.633,-26.345 C2_INA1.1 ; C2_INA3.1 46.657,-34.59 IC1_INA3.6 ; C2_INA4.1 46.657,-16.81 IC1_INA4.6
  Top Layer w0.3: -7.366,-24.13 -2.54,-24.13 -0.166,-26.504 R1.2
pads on no net: DISCO_P1.6 DISCO_P1.7 DISCO_P1.9 DISCO_P1.14 DISCO_P1.20 DISCO_P1.22 DISCO_P1.24 DISCO_P1.25 DISCO_P1.26 DISCO_P1.27 DISCO_P1.28 DISCO_P1.30 DISCO_P1.33 DISCO_P1.34 DISCO_P1.37 DISCO_P1.38 DISCO_P1.39 DISCO_P1.40 DISCO_P1.41 DISCO_P1.42 DISCO_P1.43 DISCO_P1.44 DISCO_P1.45 DISCO_P1.46 DISCO_P1.47 DISCO_P1.48 DISCO_P2.3 DISCO_P2.4 DISCO_P2.5 DISCO_P2.6 DISCO_P2.7 DISCO_P2.8 DISCO_P2.9 DISCO_P2.10 DISCO_P2.15 DISCO_P2.16 DISCO_P2.17 DISCO_P2.18 DISCO_P2.21 DISCO_P2.27 DISCO_P2.29 DISCO_P2.30 DISCO_P2.31 DISCO_P2.32 DISCO_P2.33 DISCO_P2.34 DISCO_P2.35 DISCO_P2.36 DISCO_P2.37 DISCO_P2.38 DISCO_P2.39 DISCO_P2.41 DISCO_P2.42 DISCO_P2.44 IC1_INA1.3 IC1_INA2.3 IC1_INA3.3 IC1_INA4.3

## Polygon pours and split planes (outlines as drawn)
VCC on Top Layer "Top Layer-No Net" (solid, remove dead copper, pour order 76): -7.112,-22.352 -7.112,-25.4 -14.351,-25.4 -14.351,-26.67 -18.415,-26.67 -18.415,-22.352
NetC1_2 on Top Layer "Top Layer-No Net" (solid, remove dead copper, pour order 2): -12.446,-29.591 -12.446,-32.131 -18.034,-32.131 -18.034,-29.591
NetC1_2 on Top Layer "Top Layer-No Net" (solid, remove dead copper, pour order 3): -5.461,-29.845 -5.461,-31.242 -8.636,-31.242 -8.636,-29.845
"V+ BAT_INA1" on Top Layer "Top Layer-No Net" (solid, remove dead copper, pour order 68): -5.461,-30.924 -12.319,-30.925 -12.319,-41.212 -5.461,-41.212
GND on Top Layer "Top Layer-No Net" (solid, remove dead copper, pour order 66): -5.461,-29.972 -9.355,-29.972 -9.355,-30.48 -12.954,-30.48 -12.954,-25.654 -5.461,-25.654
NetBAT_0 on Top Layer "Top Layer-No Net" (solid, remove dead copper, pour order 64): -16.51,-53.467 -16.51,-58.42 -29.21,-58.42 -34.29,-63.5 -41.91,-63.5 -41.91,-53.467
MB_M1 on Top Layer "Top Layer-No Net" (solid, remove dead copper, pour order 62): -59.436,-15.68 -59.436,-18.22 -61.976,-18.22 -64.516,-20.76 -67.31,-20.76 -67.31,-18.22 -64.77,-18.22 -62.23,-15.68
MA_M1 on Top Layer "Top Layer-No Net" (solid, remove dead copper, pour order 60): -59.436,-15.68 -59.436,-13.14 -62.23,-13.14 -64.77,-15.68 -67.31,-15.68 -67.31,-18.22 -64.77,-18.22 -62.23,-15.68 -61.849,-15.68
MA_M0 on Top Layer "Top Layer-No Net" (solid, remove dead copper, pour order 58): -59.436,-33.02 -59.436,-30.48 -62.23,-30.48 -64.77,-33.02 -67.31,-33.02 -67.31,-35.56 -64.77,-35.56 -62.23,-33.02 -61.849,-33.02
MB_M0 on Top Layer "Top Layer-No Net" (solid, remove dead copper, pour order 56): -59.436,-33.02 -59.436,-35.56 -61.976,-35.56 -64.516,-38.1 -67.31,-38.1 -67.31,-35.56 -64.77,-35.56 -62.23,-33.02
NetC1_M1_2 on Top Layer "Top Layer-No Net" (solid, remove dead copper, pour order 54): -61.976,-12.7 -61.976,-10.16 -59.436,-10.16 -58.42,-9.144 -54.864,-9.144 -54.864,-11.684 -58.42,-11.684 -59.436,-12.7
NetC1_M3_2 on Top Layer "Top Layer-No Net" (solid, remove dead copper, pour order 52): 58.928,-17.272 54.875,-17.272 54.864,-13.208 56.896,-13.208 58.928,-11.176 58.928,-10.16 61.976,-10.16 62.23,-10.414 62.23,-12.7 58.928,-12.7
NetCM1_M3_1 on Top Layer "Top Layer-No Net" (solid, remove dead copper, pour order 50): 57.15,3.81 50.8,3.81 50.8,-11.43 54.483,-11.43 54.61,-11.303 54.61,-2.54 55.88,-1.27 57.15,-1.27
NetCM1_M2_1 on Top Layer "Top Layer-No Net" (solid, remove dead copper, pour order 48): 58.42,-29.21 58.42,-22.86 58.42,-24.13 59.69,-22.86 69.85,-22.86 71.12,-24.13 71.12,-36.83 68.58,-39.37 55.88,-39.37 53.34,-41.91 50.8,-41.91 50.8,-48.26 57.15,-48.26 57.15,-43.18 58.42,-41.91 69.85,-41.91 73.66,-38.1 73.66,-22.86 71.12,-20.32 58.42,-20.32 55.88,-22.86 55.88,-24.13 54.61,-25.4 54.61,-29.21
NetCM1_M1_1 on Top Layer "Top Layer-No Net" (solid, remove dead copper, pour order 46): -50.8,-16.764 -50.8,-14.732 -54.61,-14.732 -54.61,-16.764 -54.61,-19.05 -55.88,-20.32 -69.886,-20.32 -71.12,-19.086 -71.12,5.08 -69.891,6.309 -58.42,6.35 -57.15,5.08 -57.15,-1.27 -50.8,-1.27 -50.8,2.479 -50.8,5.08 -52.07,5.08 -55.88,8.89 -72.39,8.89 -73.66,7.62 -73.66,-20.32 -71.12,-22.86 -58.42,-22.86 -54.61,-22.86 -52.07,-20.32 -50.8,-20.32 -50.8,-19.05 -50.8,-16.256
MA_M2 on Top Layer "MA_M2_L01_P006" (solid, remove dead copper, pour order 6): 58.928,-30.48 62.23,-30.48 64.77,-33.02 67.31,-33.02 67.31,-35.56 64.516,-35.56 61.824,-32.868 58.928,-32.868
MB_M2 on Top Layer "MB_M2_L01_P008" (solid, remove dead copper, pour order 8): 58.928,-33.02 58.928,-36.068 60.162,-36.068 62.194,-38.1 67.564,-38.1 67.564,-35.814 67.31,-35.56 64.059,-35.56 61.519,-33.02
MB_M3 on Top Layer "MB_M3_L01_P010" (solid, pour order 10): 58.928,-15.418 58.928,-18.288 60.162,-18.288 62.194,-20.32 67.564,-20.32 67.564,-18.034 67.564,-17.78 67.31,-17.78 64.211,-17.78 61.849,-15.418
MA_M3 on Top Layer "Top Layer-No Net" (solid, remove dead copper, pour order 12): 58.928,-12.7 62.23,-12.7 64.77,-15.24 67.31,-15.24 67.31,-17.78 64.516,-17.78 61.976,-15.24 58.928,-15.24
NetC1_M0_2 on Top Layer "Top Layer-No Net" (solid, remove dead copper, pour order 32): -61.976,-30.48 -61.976,-27.94 -59.436,-27.94 -58.42,-26.924 -54.864,-26.924 -54.864,-29.464 -58.42,-29.464 -59.436,-30.48
NetCM1_M0_1 on Top Layer "Top Layer-No Net" (solid, remove dead copper, pour order 34): -58.42,-31.496 -50.933,-31.496 -50.933,-34.544 -58.42,-34.544
NetCM1_M0_1 on Top Layer "Top Layer-No Net" (solid, remove dead copper, pour order 36): -50.982,-31.496 -50.8,-31.678 -50.8,-46.228 -57.404,-46.228 -57.404,-41.656 -55.946,-41.656 -54.864,-40.132 -54.864,-34.544 -54.864,-31.496
NetC1_M2_2 on Top Layer "Top Layer-No Net" (solid, remove dead copper, pour order 42): 58.928,-35.052 54.875,-35.052 54.864,-30.988 56.896,-30.988 58.928,-28.956 58.928,-27.94 61.976,-27.94 62.23,-28.194 62.23,-30.48 58.928,-30.48
"V+ BAT_INA1" on Top Layer "Top Layer-No Net" (solid, remove dead copper, pour order 44): -54.61,-29.21 -54.61,-26.67 -54.61,-25.4 -53.34,-25.4 -50.8,-22.86 -45.72,-22.86 -44.45,-22.86 -44.45,-7.672 -45.72,-6.35 -49.478,-6.35 -50.8,-7.672 -50.8,-11.43 -54.61,-11.482 -54.61,-7.62 -54.61,-6.35 -53.34,-6.35 -50.8,-3.81 -44.45,-3.81 -41.91,-6.35 -40.64,-6.35 -40.64,-39.37 -39.37,-40.64 31.719,-40.64 40.64,-31.786 40.64,-21.592 43.182,-19.05 49.53,-19.05 50.8,-17.78 50.8,-14.418 54.61,-14.521 54.61,-20.306 52.056,-22.86 45.72,-22.86 44.45,-24.13 44.45,-30.466 44.45,-34.276 43.166,-35.56 49.53,-35.56 50.8,-34.29 50.8,-31.752 54.61,-31.752 54.61,-36.816 52.056,-39.37 39.356,-39.37 33.046,-45.72 -10.16,-45.72 -10.16,-58.42 -15.24,-58.42 -15.24,-45.72 -20.32,-45.72 -40.64,-45.72 -44.45,-41.91 -44.45,-26.67 -45.72,-25.4 -49.584,-25.4 -50.8,-26.616 -50.8,-29.21
NetC1_2 on Bottom Layer "Top Layer-No Net" (solid, remove dead copper, pour order 70): -5.08,-26.67 -5.08,-28.321 -6.985,-28.321 -6.985,-31.539 -14.351,-31.539 -14.351,-29.972 -8.763,-29.972 -8.763,-26.67 -5.207,-26.67
MA_M0 on Bottom Layer "Top Layer-No Net" (solid, remove dead copper, pour order 20): -59.436,-30.48 -61.976,-30.48 -64.516,-33.02 -67.564,-33.02 -67.564,-35.56 -64.516,-35.56 -61.976,-33.02 -59.436,-33.02
MB_M1 on Bottom Layer "Top Layer-No Net" (solid, remove dead copper, pour order 26): -59.436,-18.22 -61.976,-18.22 -64.516,-20.76 -67.564,-20.76 -67.564,-18.22 -64.516,-18.22 -61.976,-15.68 -59.436,-15.68
MA_M1 on Bottom Layer "Top Layer-No Net" (solid, remove dead copper, pour order 30): -59.436,-12.7 -61.976,-12.7 -64.516,-15.24 -67.564,-15.24 -67.564,-17.78 -64.516,-17.78 -61.976,-15.24 -59.436,-15.24
NetBAT_0 on Bottom Layer "Top Layer-No Net" (solid, remove dead copper, pour order 4): -16.51,-53.34 -16.51,-58.42 -24.13,-58.42 -29.21,-58.42 -34.29,-63.5 -41.91,-63.5 -41.91,-55.88 -41.91,-53.34